# Altium PCB Udemy_Project.PcbDoc (part 1 of 2) (continued)
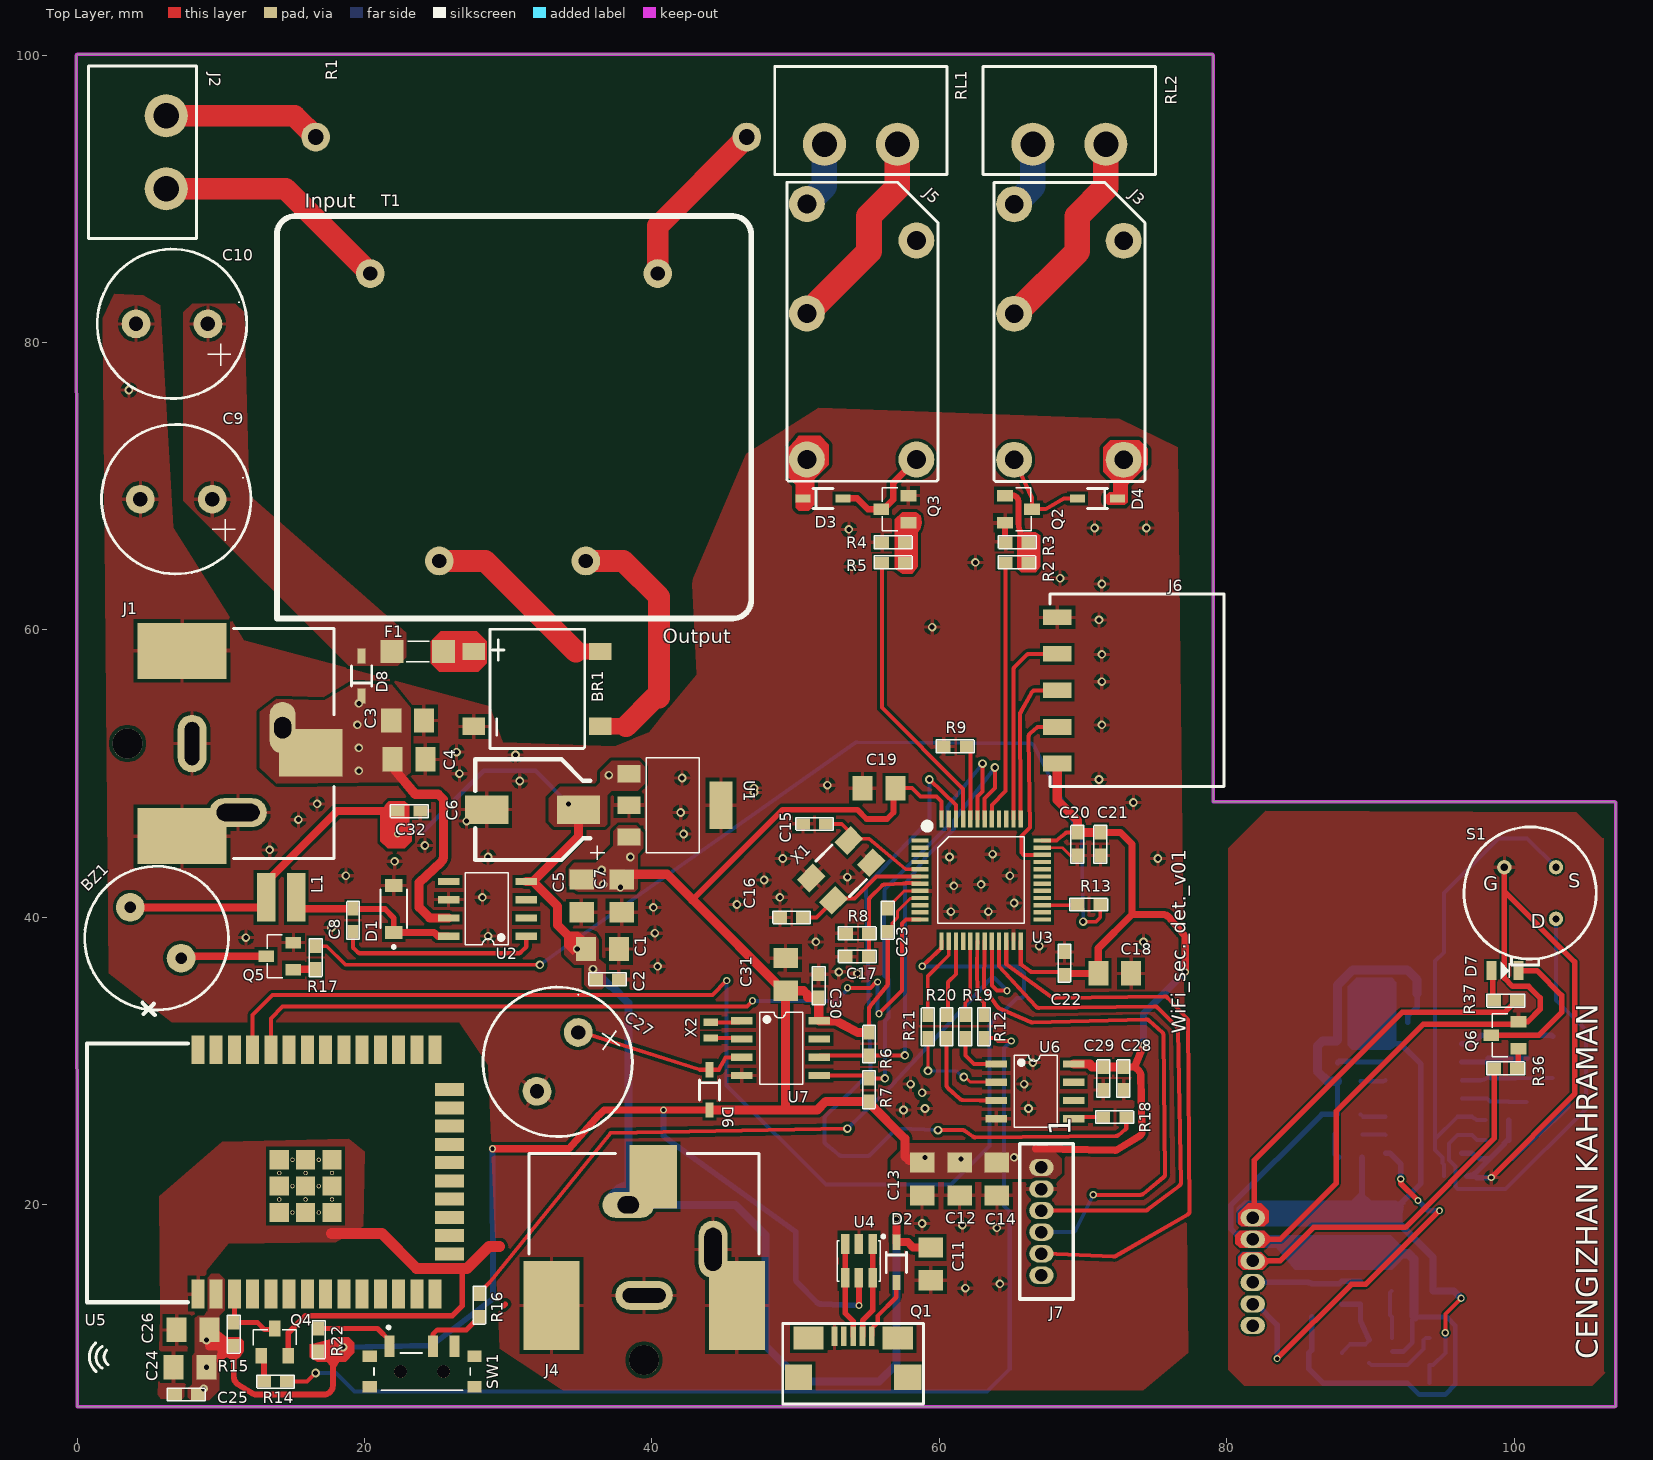
[diagram p0: Top Layer view]
## Part data (continued)
D2 D3 D4 D6 D8: "VR=75V IF=150mA Trr=4ns P=200mW", Manufacturer="ON Semiconductor / Fairchild", Supplier Part Number 1=8814485, Category="Rectifier Diodes", ComponentLink1Description=https://datasheet.ciiva.com/30479/0900766b810e1cd3-30479206.pdf?src-supplier=Rs, ComponentLink1URL=https://datasheet.ciiva.com/30479/0900766b810e1cd3-30479206.pdf?src-supplier=Rs, ComponentLink2Description=https://datasheet.ciiva.com/8300/1n914bws-8300360.pdf?src-supplier=Avnet, ComponentLink2URL=https://datasheet.ciiva.com/8300/1n914bws-8300360.pdf?src-supplier=Avnet, ComponentLink3Description=https://datasheet.ciiva.com/15208/getdatasheetpartid-127819-15208358.pdf?src-supplier=Verical, ComponentLink3URL=https://datasheet.ciiva.com/15208/getdatasheetpartid-127819-15208358.pdf?src-supplier=Verical, ComponentLink4Description=https://datasheet.ciiva.com/910/1n4148ws-910380.pdf?src-supplier=Digi-Key, ComponentLink4URL=https://datasheet.ciiva.com/910/1n4148ws-910380.pdf?src-supplier=Digi-Key, ComponentLink5Description=https://datasheet.ciiva.com/910/1n4148ws-910381.pdf?src-supplier=Digi-Key, ComponentLink5URL=https://datasheet.ciiva.com/910/1n4148ws-910381.pdf?src-supplier=Digi-Key, ComponentLink6Description=https://datasheet.ciiva.com/910/1n4148ws-910382.pdf?src-supplier=Digi-Key, ComponentLink6URL=https://datasheet.ciiva.com/910/1n4148ws-910382.pdf?src-supplier=Digi-Key, Manufacturer Part Number=1N4148WS, Pricing 1="3000=0.0191, 12000=0.0183, 45000=0.0175, 75000=0.0173, 150000=0.0164 (USD)", RoHS=Yes, Stock 1=423000, Supplier 1="Future Electronics"
F1: "Fuse Chip Fast Acting 1A 32V SMD Solder Pad 1206 Glass T/R VDE/cULus", Manufacturer=Schurter, Manufacturer Part Number=3413.0216.22, Category=Fuses, ComponentLink1Description=https://datasheet.ciiva.com/301/typ-usi-1206-301440.pdf?src-supplier=Digi-Key, ComponentLink1URL=https://datasheet.ciiva.com/301/typ-usi-1206-301440.pdf?src-supplier=Digi-Key, ComponentLink2Description=https://datasheet.ciiva.com/14102/qousi1206-data-e-14102903.pdf?src-supplier=Distrelec, ComponentLink2URL=https://datasheet.ciiva.com/14102/qousi1206-data-e-14102903.pdf?src-supplier=Distrelec, ComponentLink3Description=https://datasheet.ciiva.com/16316/typ-usi-1206-16316588.pdf?src-supplier=Future+Electronics, ComponentLink3URL=https://datasheet.ciiva.com/16316/typ-usi-1206-16316588.pdf?src-supplier=Future+Electronics, ComponentLink4Description=https://datasheet.ciiva.com/301/typ-usi-1206-301439.pdf?src-supplier=Digi-Key, ComponentLink4URL=https://datasheet.ciiva.com/301/typ-usi-1206-301439.pdf?src-supplier=Digi-Key, ComponentLink5Description=https://datasheet.ciiva.com/301/typ-usi-1206-301441.pdf?src-supplier=Digi-Key, ComponentLink5URL=https://datasheet.ciiva.com/301/typ-usi-1206-301441.pdf?src-supplier=Digi-Key, ComponentLink6Description=https://datasheet.ciiva.com/8264/typ-usi-1206-8264583.pdf?src-supplier=Avnet, ComponentLink6URL=https://datasheet.ciiva.com/8264/typ-usi-1206-8264583.pdf?src-supplier=Avnet, ComponentLink7Description=https://datasheet.ciiva.com/14541/70160006-14541114.pdf?src-supplier=Allied+Electronics, ComponentLink7URL=https://datasheet.ciiva.com/14541/70160006-14541114.pdf?src-supplier=Allied+Electronics, Pricing 1="1000=0.37339, 2000=0.3654, 4000=0.35496, 6000=0.34713, 8000=0.33408, 10000=0.32625, 100000=0.31842 (USD)", RoHS=Yes, Stock 1=2000, Supplier 1=Avnet, Supplier Part Number 1=3413.0216.22
J1 J4: "2.0 x 6.3 mm, 5.0 A, Horizontal, Surface Mount (SMT), Dc Power Jack Connector", Case/Package=SMD/SMT, Color=Black, Current Rating=5A, Flammability Rating="UL94 V-0", Insulation Resistance=100MR, Manufacturer=CUI, Max Operating Temperature=85°C, Min Operating Temperature=-25°C, Package Quantity=200, Supplier Part Number 1=490-PJ-037AH-SMT-TR, Voltage Rating=24V, Category=Uncategorized, ComponentLink1Description=http://www.mouser.com/ds/2/670/pj-037ah-smt-516065.pdf?src-supplier=Mouser, ComponentLink1URL=http://www.mouser.com/ds/2/670/pj-037ah-smt-516065.pdf?src-supplier=Mouser, ComponentLink2Description=https://www.cui.com/product/resource/digikeypdf/pj-037ah-smt-tr.pdf?src-supplier=Digi-Key, ComponentLink2URL=https://www.cui.com/product/resource/digikeypdf/pj-037ah-smt-tr.pdf?src-supplier=Digi-Key, ComponentLink3Description=http://www.cui.com/product/resource/digikeypdf/pj-037ah-smt.pdf?src-supplier=Digi-Key, ComponentLink3URL=http://www.cui.com/product/resource/digikeypdf/pj-037ah-smt.pdf?src-supplier=Digi-Key, Connector Type=Jack, Contact Gender=Male, Contact Material=Copper, Contact Plating=Nickel, Gender=Male, Housing Color=Black, Housing Material=Thermoplastic, Manufacturer Part Number=PJ-037AH-SMT-TR, Mount="Surface Mount,Through Hole", Number of Conductors=2, Orientation=Horizontal, Packaging="Tape and Reel", RoHS=Yes, Shielding=Unshielded, Supplier 1=Mouser, Termination=Solder
L1: "Power Inductor, Aec-Q200, 47Uh, 0.39A Rohs Compliant: Yes", Case Code (Imperial)=1212, Case Code (Metric)=3030, Current Rating=390mA, DC Resistance (DCR)=2.3R, Inductance=47uH, Manufacturer="Wurth Electronics", Manufacturer Part Number=78438335470, Max Operating Temperature=125°C, Min Operating Temperature=-40°C, Ratings=AEC-Q200, Saturation Current=1.18A, Self Resonant Frequency=8MHz, Supplier Part Number 1=3517060, Test Frequency=100kHz, Tolerance=30%, Case/Package=1212, Category="Fixed Inductors", ComponentLink1Description=https://media.digikey.com/pdf/Data%20Sheets/Wurth%20Electronics%20PDFs/Q+_Products_Flyer.pdf?src-supplier=Digi-Key, ComponentLink1URL=https://media.digikey.com/pdf/Data%20Sheets/Wurth%20Electronics%20PDFs/Q+_Products_Flyer.pdf?src-supplier=Digi-Key, Core Material=Ferrite, Height - Seated (Max)=0.059inch, Length=0.118inch, Mount="Surface Mount", Packaging="Cut Tape", Pricing 1="1=1.76, 50=1.67, 100=1.6, 250=1.52, 500=1.41, 1000=1.38, 5000=1.35, 10000=1.33 (EUR)", RoHS=Yes, RoHS Compliant=Yes, Series=WE-MAIA, Shielding=Shielded, Stock 1=1175, Supplier 1=Farnell, Width=0.118inch
R1: Resistance=270m
R3 R4 R23 R24 R26: Resistance=10kOHM
R6 R7: Resistance="4.7K Ohm"
R28: Resistance=43kOHM
R30 R31 R35: Resistance=220kOHM
R32 R33: "Res Metal Strip 0603 0 Ohm Sulfur Resistant Pad SMD Automotive T/R", Case Code (Imperial)=0603, Case Code (Metric)=1608, Manufacturer="Vishay Dale", Manufacturer Part Number=WSL060300000ZEA9, Max Operating Temperature=170°C, Min Operating Temperature=-65°C, Resistance=0R, Supplier Part Number 1=71-WSL060300000ZEA9, Temperature Coefficient=3900ppm/°C, Case/Package=0603, Category="Chip SMD Resistors", ComponentLink1Description=http://www.mouser.com/ds/2/427/wsl-101914.pdf?src-supplier=Mouser, ComponentLink1URL=http://www.mouser.com/ds/2/427/wsl-101914.pdf?src-supplier=Mouser, ComponentLink2Description=http://www.vishay.com/docs/30100/wsl.pdf?src-supplier=Avnet, ComponentLink2URL=http://www.vishay.com/docs/30100/wsl.pdf?src-supplier=Avnet, ComponentLink3Description=http://www.vishay.com/docs/30192/wsl-9.pdf?src-supplier=Digi-Key, ComponentLink3URL=http://www.vishay.com/docs/30192/wsl-9.pdf?src-supplier=Digi-Key, Contact Plating=Tin,Matte, Number of Terminations=2, Packaging="Cut Tape", Pricing 1="1=1.09, 10=0.846, 50=0.846, 100=0.699, 1000=0.433, 10000=0.402 (USD)", RoHS=Yes, RoHS Compliant=Yes, Series=WSL, Stock 1=50899, Supplier 1=Mouser
R37: Resistance=100Ohm
RT1: "Thermistor PTC 10K Ohm 1% 2-Pin 1206 Surface Mount Solder Pad T/R Automotive", Case Code (Imperial)=1206, Manufacturer="Vishay Dale", Manufacturer Part Number=TFPT1206L1002FM, Max Operating Temperature=125°C, Max Power Dissipation=125mW, Min Operating Temperature=-55°C, Package Quantity=5000, Resistance=10kR, Resistance Tolerance=1%, Supplier Part Number 1=71-TFPT1206L1002FM, Voltage=40V, Case/Package=1206, Category=Thermistors, ComponentLink1Description=https://datasheet.ciiva.com/2852/tfpt-2852076.pdf?src-supplier=Digi-Key, ComponentLink1URL=https://datasheet.ciiva.com/2852/tfpt-2852076.pdf?src-supplier=Digi-Key, Height=0.55mm, Lead Free="Lead Free", Length=3.2mm, Mount="Surface Mount", Packaging="Tape and Reel", Power Rating=125mW, Pricing 1="1=1.34, 10=1.05, 50=1.05, 100=0.714, 1000=0.53, 10000=0.453 (USD)", RoHS=Yes, RoHS Compliant=Yes, Series=TFPT, Stock 1=7122, Supplier 1=Mouser, Termination=SMD/SMT, Tolerance=1%, Width=1.6mm
S1: MAX Supply Voltage=12, MIN Supply Voltage=2
SW1: "Slide Switch, SPDT, 0.025A, 24V, SMD", Manufacturer=E-Switch, Max Operating Temperature=70°C, Min Operating Temperature=-20°C, Operating Force=150gf, Supplier Part Number 1=4050996, Voltage Rating (DC)=24V, Actuator Length=1.4mm, Actuator Type=Standard, ComponentLink1Description=https://media.digikey.com/pdf/Data%20Sheets/E-Switch%20PDFs/EG1215_Series_Ds.pdf?src-supplier=Digi-Key, ComponentLink1URL=https://media.digikey.com/pdf/Data%20Sheets/E-Switch%20PDFs/EG1215_Series_Ds.pdf?src-supplier=Digi-Key, ComponentLink2Description=http://www.farnell.com/datasheets/2645007.pdf?src-supplier=Farnell, ComponentLink2URL=http://www.farnell.com/datasheets/2645007.pdf?src-supplier=Farnell, Electrical Life=10000Cycles, Manufacturer Part Number=EG1215AA, Mechanical Life=10000Cycles, Mount="Surface Mount", Packaging="Cut Tape", Pricing 1="1=1.06, 10=0.958, 25=0.831, 50=0.777, 100=0.722 (EUR)", RoHS=Yes, RoHS Compliant=Yes, Series=EG, Stock 1=2239, Supplier 1=Farnell, Switch Function=On-On, Switch Travel=1.5mm, Termination="Gull Wing", Throw Configuration=SPDT
T1: Operating Frequency="50-60 Hz", Primary Voltage=230V, Rated Power=1VA, Secondary Voltage=12V
U1: "AP7361 Series 3.3 V 1 A Low SMT Dropout Fixed-Mode Regulator - SOT-223", Case/Package=SOT223, Manufacturer=Diodes, Supplier Part Number 1=4058800, Category="Voltage Regulators - Linear", ComponentLink1Description=https://datasheet.ciiva.com/26926/getdatasheetpartid-670786-26926141.pdf?src-supplier=Verical, ComponentLink1URL=https://datasheet.ciiva.com/26926/getdatasheetpartid-670786-26926141.pdf?src-supplier=Verical, ComponentLink2Description=https://datasheet.ciiva.com/25651/ap7361-25651049.pdf?src-supplier=Digi-Key, ComponentLink2URL=https://datasheet.ciiva.com/25651/ap7361-25651049.pdf?src-supplier=Digi-Key, ComponentLink3Description=https://datasheet.ciiva.com/29568/ap7361-29568378.pdf?src-supplier=Digi-Key, ComponentLink3URL=https://datasheet.ciiva.com/29568/ap7361-29568378.pdf?src-supplier=Digi-Key, ComponentLink4Description=https://datasheet.ciiva.com/29568/ap7361-29568379.pdf?src-supplier=Digi-Key, ComponentLink4URL=https://datasheet.ciiva.com/29568/ap7361-29568379.pdf?src-supplier=Digi-Key, Manufacturer Part Number=AP7361-33E-13, Pricing 1="2500=0.17, 7500=0.166, 12500=0.163, 50000=0.158, 75000=0.154 (USD)", RoHS=Yes, Stock 1=15000, Supplier 1="Future Electronics"
U2: "SIMPLE SWITCHER® 6.5V to 40V, 1A Low Component Count Step-Down Regulator 8-SOIC -40 to 125", Manufacturer="TI National Semiconductor", Supplier Part Number 1=296-35410-1-ND, Category="Voltage Regulators - Switching", ComponentLink1Description=https://datasheet.ciiva.com/41457/001013881-da-01-en-ic-reg-buck-lm2675mx-12-nopb-soic-8-tid-41457896.pdf?src-supplier=Conrad, ComponentLink1URL=https://datasheet.ciiva.com/41457/001013881-da-01-en-ic-reg-buck-lm2675mx-12-nopb-soic-8-tid-41457896.pdf?src-supplier=Conrad, ComponentLink2Description=https://datasheet.ciiva.com/3220/lm2675-3220840.pdf?src-supplier=Avnet, ComponentLink2URL=https://datasheet.ciiva.com/3220/lm2675-3220840.pdf?src-supplier=Avnet, Manufacturer Part Number=LM2675MX-12/NOPB, Pricing 1="1=4.85, 10=4.356, 25=4.1184, 100=3.5693, 250=3.38624, 500=3.03846, 1000=2.56256 (USD)", RoHS=Yes, Supplier 1=Digi-Key
U4: "TVS DIODE 5.25VWM 17VC SOT23-6", Manufacturer=STMicroelectronics, Manufacturer Part Number=USBLC6-2SC6, Supplier Part Number 1=511-USBLC6-2SC6, Category="TVS Diodes", ComponentLink1Description=https://datasheet.ciiva.com/15143/getdatasheetpartid-148465-15143789.pdf?src-supplier=Verical, ComponentLink1URL=https://datasheet.ciiva.com/15143/getdatasheetpartid-148465-15143789.pdf?src-supplier=Verical, ComponentLink2Description=https://datasheet.ciiva.com/4508/cd00050750-113117-4508433.pdf?src-supplier=Mouser, ComponentLink2URL=https://datasheet.ciiva.com/4508/cd00050750-113117-4508433.pdf?src-supplier=Mouser, ComponentLink3Description=https://datasheet.ciiva.com/1268/1690354-1268384.pdf?src-supplier=Element14, ComponentLink3URL=https://datasheet.ciiva.com/1268/1690354-1268384.pdf?src-supplier=Element14, ComponentLink4Description=https://datasheet.ciiva.com/16200/cd00050750-16200026.pdf?src-supplier=Future+Electronics, ComponentLink4URL=https://datasheet.ciiva.com/16200/cd00050750-16200026.pdf?src-supplier=Future+Electronics, ComponentLink5Description=https://datasheet.ciiva.com/41444/001184109-da-01-en-ic-esd-protecti-usblc6-2sc6-sot-23-6-stm-41444156.pdf?src-supplier=Conrad, ComponentLink5URL=https://datasheet.ciiva.com/41444/001184109-da-01-en-ic-esd-protecti-usblc6-2sc6-sot-23-6-stm-41444156.pdf?src-supplier=Conrad, Pricing 1="1=0.59, 10=0.507, 50=0.507, 100=0.379, 1000=0.23, 10000=0.182 (USD)", RoHS=Yes, Stock 1=229222, Supplier 1=Mouser
U6: "Temp Sensor Digital Serial (3-Wire, SPI) 8-Pin SOIC N Tube", Manufacturer=Maxim, Manufacturer Part Number=MAX6662MSA+, Supplier Part Number 1=700-MAX6662MSA, Category="Temperature and Humidity Sensors", ComponentLink1Description=https://datasheet.ciiva.com/5299/max6662-89142-5299456.pdf?src-supplier=Mouser, ComponentLink1URL=https://datasheet.ciiva.com/5299/max6662-89142-5299456.pdf?src-supplier=Mouser, ComponentLink2Description=https://datasheet.ciiva.com/3277/max6662-3277979.pdf?src-supplier=Avnet, ComponentLink2URL=https://datasheet.ciiva.com/3277/max6662-3277979.pdf?src-supplier=Avnet, ComponentLink3Description=https://datasheet.ciiva.com/2003/max6662-2003390.pdf?src-supplier=Digi-Key, ComponentLink3URL=https://datasheet.ciiva.com/2003/max6662-2003390.pdf?src-supplier=Digi-Key, Pricing 1="1=2.45, 10=2.35, 50=2.35, 100=2.34, 1000=2.2, 10000=1.95 (USD)", RoHS=Yes, Stock 1=1124, Supplier 1=Mouser
U7: "Real-time Clocks Clock/Calendar I2C, 2-Wire Serial 70uA @ 2V ~ 5.5V SOIC-8_150mil RoHS", Manufacturer=STMicroelectronics, Manufacturer Part Number=M41T00M6F, Supplier Part Number 1=497-4697-1-ND, Category="Real Time Clocks", ComponentLink1Description=https://datasheet.ciiva.com/7630/1837112-7630077.pdf?src-supplier=Element14, ComponentLink1URL=https://datasheet.ciiva.com/7630/1837112-7630077.pdf?src-supplier=Element14, ComponentLink2Description=https://datasheet.ciiva.com/16213/cd00001542-16213654.pdf?src-supplier=Future+Electronics, ComponentLink2URL=https://datasheet.ciiva.com/16213/cd00001542-16213654.pdf?src-supplier=Future+Electronics, ComponentLink3Description=https://datasheet.ciiva.com/41459/001185345-da-01-en-ic-rtc-srl-512kbit-m41t00m6f-soic-8-stm-41459818.pdf?src-supplier=Conrad, ComponentLink3URL=https://datasheet.ciiva.com/41459/001185345-da-01-en-ic-rtc-srl-512kbit-m41t00m6f-soic-8-stm-41459818.pdf?src-supplier=Conrad, Pricing 1="1=3.96, 10=3.556, 25=3.3616, 100=2.9134, 250=2.76404, 500=2.48016, 1000=2.11425 (USD)", RoHS=Yes, Stock 1=5505, Supplier 1=Digi-Key
U8: "IC OPAMP GP 3MHZ RRO SOT23-5", Manufacturer="Texas Instruments", Manufacturer Part Number=OPA314AIDBVR, Supplier Part Number 1=296-36699-1-ND, Category="Amplifiers - Op Amps, Buffer, Instrumentation", ComponentLink1Description=https://datasheet.ciiva.com/14456/opa2314-14456281.pdf?src-supplier=Avnet, ComponentLink1URL=https://datasheet.ciiva.com/14456/opa2314-14456281.pdf?src-supplier=Avnet, ComponentLink2Description=https://datasheet.ciiva.com/14462/opa2314-14462006.pdf?src-supplier=Avnet, ComponentLink2URL=https://datasheet.ciiva.com/14462/opa2314-14462006.pdf?src-supplier=Avnet, ComponentLink3Description=https://datasheet.ciiva.com/29638/opa314-29638827.pdf?src-supplier=Digi-Key, ComponentLink3URL=https://datasheet.ciiva.com/29638/opa314-29638827.pdf?src-supplier=Digi-Key, Pricing 1="1=1.19, 10=1.065, 25=1.0104, 100=0.83, 250=0.77588, 500=0.68568, 1000=0.54132 (USD)", RoHS=Yes, Stock 1=278, Supplier 1=Digi-Key
U9: "NCS36000 Series Single 5.5V Passive Infrared Detector Controller (PIR) - SOIC-14", Manufacturer="ON Semiconductor", Manufacturer Part Number=NCS36000DG, Category="Amplifiers - Op Amps, Buffer, Instrumentation", ComponentLink1Description=https://datasheet.ciiva.com/25629/0900766b810de37b-25629154.pdf?src-supplier=Rs, ComponentLink1URL=https://datasheet.ciiva.com/25629/0900766b810de37b-25629154.pdf?src-supplier=Rs, ComponentLink2Description=https://datasheet.ciiva.com/2965/ncs36000-d-2965211.pdf?src-supplier=Avnet, ComponentLink2URL=https://datasheet.ciiva.com/2965/ncs36000-d-2965211.pdf?src-supplier=Avnet, ComponentLink3Description=https://datasheet.ciiva.com/1782/ncs36000-d-1782043.pdf?src-supplier=Digi-Key, ComponentLink3URL=https://datasheet.ciiva.com/1782/ncs36000-d-1782043.pdf?src-supplier=Digi-Key, Pricing 1="55=0.582, 60=0.56648, 120=0.55096, 280=0.53544, 550=0.51992 (USD)", RoHS=Yes, Stock 1=1785, Supplier 1=Avnet, Supplier Part Number 1=NCS36000DG
X1: "Crystal 16MHz ±30ppm (Tol) ±50ppm (Stability) 20pF FUND 50Ohm 4-Pin Mini-SMD T/R", Manufacturer=Abracon, Manufacturer Part Number=ABS05-32.768KHZ-T, Supplier Part Number 1=4097386, Category=Crystals, ComponentLink1Description=https://datasheet.ciiva.com/23810/abs05-23810480.pdf?src-supplier=Newark, ComponentLink1URL=https://datasheet.ciiva.com/23810/abs05-23810480.pdf?src-supplier=Newark, ComponentLink2Description=https://datasheet.ciiva.com/6728/abs05-6728949.pdf?src-supplier=Digi-Key, ComponentLink2URL=https://datasheet.ciiva.com/6728/abs05-6728949.pdf?src-supplier=Digi-Key, ComponentLink3Description=https://datasheet.ciiva.com/6728/abs05-6728950.pdf?src-supplier=Digi-Key, ComponentLink3URL=https://datasheet.ciiva.com/6728/abs05-6728950.pdf?src-supplier=Digi-Key, ComponentLink4Description=https://datasheet.ciiva.com/16411/abs05-16411149.pdf?src-supplier=Future+Electronics, ComponentLink4URL=https://datasheet.ciiva.com/16411/abs05-16411149.pdf?src-supplier=Future+Electronics, ComponentLink5Description=https://datasheet.ciiva.com/853/ecx-53b-853408.pdf?src-supplier=Digi-Key, ComponentLink5URL=https://datasheet.ciiva.com/853/ecx-53b-853408.pdf?src-supplier=Digi-Key, ComponentLink6Description=https://datasheet.ciiva.com/853/ecx-53b-853407.pdf?src-supplier=Digi-Key, ComponentLink6URL=https://datasheet.ciiva.com/853/ecx-53b-853407.pdf?src-supplier=Digi-Key, ComponentLink7Description=https://datasheet.ciiva.com/853/ecx-53b-853406.pdf?src-supplier=Digi-Key, ComponentLink7URL=https://datasheet.ciiva.com/853/ecx-53b-853406.pdf?src-supplier=Digi-Key, Pricing 1="1=0.85, 15=0.75, 75=0.69, 300=0.64, 1500=0.58 (USD)", Pricing 2="1=0.8053, 10=0.7919 (USD)", RoHS=Yes, Stock 1=2890, Stock 2=17, Supplier 1="Future Electronics", Supplier 2="Arrow Electronics", Supplier Part Number 2=ECS-160-20-30B-TR
X2: "Crystal 0.032768MHz ±20ppm (Tol) 12.5pF Flexural 90000Ohm 2-Pin CSMD T/R", FREQ=32.768kHz, Manufacturer=Abracon, Manufacturer Part Number=ABS05-32.768KHZ-T, Supplier Part Number 1=4097386, Category=Crystals, ComponentLink1Description=https://datasheet.ciiva.com/23810/abs05-23810480.pdf?src-supplier=Newark, ComponentLink1URL=https://datasheet.ciiva.com/23810/abs05-23810480.pdf?src-supplier=Newark, ComponentLink2Description=https://datasheet.ciiva.com/6728/abs05-6728949.pdf?src-supplier=Digi-Key, ComponentLink2URL=https://datasheet.ciiva.com/6728/abs05-6728949.pdf?src-supplier=Digi-Key, ComponentLink3Description=https://datasheet.ciiva.com/6728/abs05-6728950.pdf?src-supplier=Digi-Key, ComponentLink3URL=https://datasheet.ciiva.com/6728/abs05-6728950.pdf?src-supplier=Digi-Key, ComponentLink4Description=https://datasheet.ciiva.com/16411/abs05-16411149.pdf?src-supplier=Future+Electronics, ComponentLink4URL=https://datasheet.ciiva.com/16411/abs05-16411149.pdf?src-supplier=Future+Electronics, Pricing 1="1=0.85, 15=0.75, 75=0.69, 300=0.64, 1500=0.58 (USD)", RoHS=Yes, Stock 1=2890, Supplier 1="Future Electronics"
C1 C3 C7 C14 C19 C26 C31 C40 C42 C46: Cap=1uF
C15 C16: Cap=20pF
R2 R5 R15 R29 R34 R36: Reisitance="1k  OHM"
R25 R27: RES=560K
RL1 RL2: Case/Package=ALQ112

## Via types
v1: diameter 0.6, hole 0.35, Top Layer to Bottom Layer, tented both sides, 103 vias
v2: diameter 0.5, hole 0.3, POWER to Bottom Layer, tented both sides, 22 vias
v3: diameter 0.5, hole 0.3, Top Layer to POWER, tented both sides, 21 vias
v4: diameter 0.5, hole 0.3, Top Layer to Bottom Layer, tented both sides, 1 vias

## Nets (pads, with @x,y where several pads share a name; then routed paths per layer and width w, separated by ;. In a path a pad name is that pad's centre, name@x,y a point inside that pad or via, vN(x,y) a via of type N, cw(c..) or ccw(c..) an arc to the next point about the centre after c; other vN are vias at no path point)
3V3DC: C5.1 C7.2 C12.2 C13.2 C14.2 C18.2 C19.2 C20.2 C21.2 C22.2 C23.2 C24.2 C25.2 C26.1 C28.2 C29.2 C30.2 C31.1 D6.2@44,26.6 J6.1 J7.1 R6.2 R7.2 R15.2 R22.2 U1.3 U3.9 U3.24 U3.36 U3.48 U4.5 U5.2 U6.8 U7.8 | length 220.8
  Top Layer w0.203: C23.2@56.4,39 56.692,39.292 56.692,39.6 57.073,39.981 57.073,40.418 57.956,41.302 58.602,41.302 U3.9@58.65,41.35
  Top Layer w0.279: C19.2@56.943,49 58.093,49 58.693,48.4 59.8,48.4 60.15,48.05 U3.48@60.15,46.85 ; U3.36@67.15,45.35 68.131,45.35 68.825,45.9 C20.2@69.6,45.9
  Top Layer w0.3: R6.2@55.1,32 55.1,33.593 cw(c55.4,33.593) 55.167,33.783 56.332,35.217 ccw(c56.1,35.407) 56.4,35.407 C23.2@56.4,39 ; U3.24@65.65,38.35 65.65,36.729 66.328,36.251 66.4,36.2 66.489,36.2 68.5,36.2 C22.2@68.7,36 cw(c68.941,35.759) C22.2@68.941,36.1 ; 66.6,23.9 66.697,23.9 cw(c66.697,23.6) 66.702,23.9
  Top Layer w0.35: C19.2@56.8,48.655 cw(c57.288,48.655) C19.2@56.943,49
  Top Layer w0.4: R15.2@10.9,10.2 10.9,8.047 ccw(c11.535,8.047) 11.192,7.512 12.143,6.901 ; 12.144,6.9 ccw(c12.486,7.435) 12.486,6.8 17.165,6.8 ccw(c17.165,7.435) 17.8,7.435 17.8,9.351 17.566,9.586 ; R22.2@16.8,9.8 16.8,9.779 16.994,9.586 17.566,9.586 ; v1(18.5,10.1) 17.566,9.586 ; 42.825,41.225 49.1,47.5 54.283,47.5 54.933,46.85 56.35,46.85 56.8,47.3 C19.2@56.8,48.655 ; v3(54.4,13) U4.5@54.4,14.925
  Top Layer w0.5: v2(28.9,23.9) 34.2,23.9 36.346,26.272 36.36,26.287 36.673,26.6 v2(40.8,26.6) D6.2@44,26.6 ; 66.703,23.9 72.212,23.802 ccw(c72.218,24.102) 72.374,23.846 73.952,24.809 ccw(c73.796,25.066) 74.096,25.072 ; C22.2@68.941,36.1 C18.2@71.057,36.1 71.057,37.857 73.4,40.2 ; C21.2@71.2,45.9 72.6,45.9 73.4,45.1 73.4,40.2 ; C28.2@72.8,29.6 73.575,29.6 ; 73.909,29.285 cw(c73.703,29.067) 74.003,29.074 74.096,25.073 ; 73.909,29.286 73.575,29.6 ; v3(74.2,31.1) 73.575,29.6 ; 76.978,38.841 75.95,40.027 ccw(c75.572,39.7) 75.572,40.2 73.4,40.2 ; 76.978,38.84 cw(c76.6,38.513) 77.1,38.513 v3(77.1,36.2)
  Top Layer w0.635: 9.2,10.2 R15.2@10.9,10.2 ; C7.2@37.9,42.643 38.257,43 41.05,43 42.825,41.225 49.15,34.9 C31.1@49.3,34.9 ; D6.2@44,26.6 49.3,26.6 ; U7.8@51.6,32.855 C30.2@51.6,34.443 50.825,34.443 50.825,34.606 50.531,34.9 C31.1@49.3,34.9 ; U7.8@51.65,32.805 52.781,32.805 54.325,32 R6.2@55.1,32 ; 57.9,23.1 57.6,23.4 57.6,24.611 55.1,27.111 R7.2@55.1,27.2 52.1,27.2 51.5,26.6 49.3,26.6 ; J6.1@68.2,50.72 68.2,48.164 69.6,46.764 C20.2@69.6,45.9 C21.2@71.2,45.9 ; U6.8@69.35,29.805 70.481,29.805 70.481,29.745 70.625,29.6 C29.2@71.4,29.6 72.175,29.6 ; 72.175,29.6 72.4,29.6 ; 49.3,26.6 C31.1@49.3,34.9
  Bottom Layer w0.4: v1(18.5,10.1) 24.671,10.22 28.945,13.481 v2(28.9,23.9) ; v2(40.8,26.6) 40.8,24.971 40.8,24.812 40.966,24.646 50,18.135 50,14.866 ccw(c50.4,14.866) 50.118,14.582 51.489,13.211 ccw(c51.772,13.494) 51.756,13.094 53.35,13.03 53.853,13.01 54.39,13.01 v3(54.4,13)
  Bottom Layer w0.5: v3(74.2,31.1) 74.2,33.3 v3(77.1,36.2)
  other v1: 8.8,7.2 9,8.7 9,10.6 61.5,23.2 59,23.3 65.2,23.3 37.8,42.1 36.6,42.3 36.5,43.3 38.5,44.2
  other v2: 54.4,13 74.2,31.1 77.1,36.2
  other v3: 28.9,23.9 40.8,26.6
3V3DC_S: C37.2 C42.2 C43.2 C44.2 C45.2 C46.2 J8.1 R34.2 R35.2 R37.1 RT1.2 U8.5 U9.14 | length 67
  Top Layer w0.279: v2(95.2,11.1) 95.2,12.4 v2(96.3,13.5)
  Top Layer w0.381: J8.1@81.8,19.1 81.9,19.2 81.9,23.1 92.2,33.4 99.311,33.4 100.111,34.2 R37.1@100.2,34.2
  Bottom Layer w0.279: C43.2@91,32.7 90.417,32.7 89.405,32.717 89,32.267 R35.2@89,31.6 89.494,31.6 90.35,31.21 U9.14@91.04,31.21 ; 91.7,19.5 91.7,19.6 ; 94.1,8.45 U8.5@94.1,8.85 94.35,8.85 95.2,9.7 v2(95.2,11.1) ; C37.2@94.1,7.6 94.1,8.45
  Bottom Layer w0.4: 89.4,19.9 R34.2@89.4,23.3 ; U9.14@91.04,31.21 92.09,31.21 93.5,29.8 93.5,21.496 91.7,19.696 91.7,19.6
  Bottom Layer w0.508: C42.2@90.957,34.7 90.957,32.743 C43.2@91,32.7 ; C44.2@91.321,18.984 91.41,18.895 91.805,18.895 94.35,16.35 RT1.2@94.35,14 95.8,14 v2(96.3,13.5)
  other v3: 95.2,11.1 96.3,13.5
5VDC: BZ1.2 C1.2 C2.2 C6.1 C11.1 C32.2@22.3,47.4 D2.1 J4.1 L1.2 U1.1 U2.4 | length 109.6
  Top Layer w0.559: BZ1.2@3.7,40.7 12.779,40.7 13.15,41.071 13.15,42.45 18.1,47.4 C32.2@22.3,47.4 ; v1(57,19) D2.1@57,17.4 57.812,17.4 58.169,17.043 C11.1@59.4,17.043
  Top Layer w0.635: U2.4@31.25,42.505 31.75,42.505 34.9,45.655 C6.1@34.9,47.5 ; U2.4@31.695,42.505 33.435,40.765 33.435,39.465 34.6,38.3
  Bottom Layer w0.3: v2(22.3,45.8) 22.3,45.824 22.476,46 24.1,46 28.3,50.2 31.9,50.2 v1(34.2,47.9)
  Bottom Layer w0.559: v1(35.9,36.4) 37.079,35.221 37.179,35.221 38.35,34.05 J4.1@38.35,20 45.8,20 47.9,17.9 47.9,10.2 50.4,7.7 55.8,7.7 57,8.9 v1(57,19)
  other v1: 34.8,37.8 37,49.9
  other v4: 22.3,45.8
12VDC: C3.1 C4.2 D3.1 D4.1 D8.1 J1.1 RL1.5 RL2.4 U2.7 | length 15.9
  Top Layer w0.635: C4.2@21.957,51 21.703,50.746 23.528,48.57 25.128,48.57 25.5,48.198 25.5,44.279 cw(c24.865,44.279) 25.293,43.81 23.8,42.442 23.8,40.7 24.535,39.965 U2.7@25.85,39.965
  other v1: 19.6,50.2 19.6,51.8 19.5,53.4 19.6,54.9
AC_LINE_1: J2.1 R1.1 | length 11
  Top Layer w1.524: J2.1@6.2,95.78 15.12,95.78 R1.1@16.6,94.3
AC_LINE_2: J2.2 T1.5 | length 16.6
  Top Layer w1.524: J2.2@6.2,90.7 14.5,90.7 T1.5@20.4,84.8
BUZZER: R13.2 R17.1 | length 70.8
  Top Layer w0.254: R17.1@16.6,38 17.375,38 18.675,36.7 v1(32.2,36.7) ; v1(70,39.7) 70.9,39.7 71.2,40 71.2,40.125 R13.2@71.2,40.9
  Bottom Layer w0.254: v1(32.2,36.7) 34.044,37.999 34.119,38.074 34.119,38.082 34.518,38.481 34.647,38.481 34.728,38.481 34.794,38.527 54.133,52.153 cw(c54.28,51.945) 54.282,52.199 66.347,52.101 ; 66.347,52.101 cw(c66.344,51.847) 66.57,51.964 69.873,45.553 ; 69.873,45.552 cw(c69.647,45.436) 69.901,45.441 v1(70,39.7)
GND: BR1.4 C1.1 C2.1 C3.2 C4.1 C5.2 C6.2 C7.1 C9.2 C10.2 C11.2 C12.1 C13.1 C14.1 C15.2 C16.2 C17.2 C18.1 C19.1 C20.1 C21.1 C22.1 C23.1 C24.1 C25.1 C26.2 C27.2 C28.1 C29.1 C30.1 C31.2 C32.1@23.9,47.4 D1.A J1.2 J1.3 J4.2 J4.3 J6.5 J7.2 Q1.5 Q2.2 Q3.2 Q4.2 Q5.2 R3.2 R4.1 R8.1 R9.1 U1.2 U2.6 U3.8 U3.23 U3.35 U3.47 U4.2 U5.1 U6.4 U7.4 X1.2 X1.4 | length 37.5
  Top Layer w0.203: 29.3,17 29.4,17.1 ; C23.1@56.4,40.6 56.4,40.689 57.561,41.85 U3.8@58.65,41.85 ; U3.35@67.15,44.85 68.556,44.85 69.106,44.3 C20.1@69.6,44.3
  Top Layer w0.381: Q4.2@14.7,9.5 14.7,11.1 15.9,12.3 26.111,12.3 26.8,12.989 26.8,15.5 ; 29.662,12.962 29.8,13.1
  Top Layer w0.4: Q2.2@64.555,67.457 64.555,66.218 ccw(c64.709,66.218) R3.2@64.6,66.11
  Top Layer w0.762: 17.693,18 21.205,18 23.629,15.576 27.141,15.576 28.665,17.1 29.4,17.1
  other v1: 61.8,14.2 64.2,14.5 64,18.4 61.6,18.6 58.8,18.7 57.5,26.6 59,26.7 66.2,26.7 58.8,27.8 58,28.4 65.9,28.4 66.5,29.9 54.3,36.1 53,36.2 40.4,36.6 66.946,38.013 51.4,38.3 74.2,38.3 11.746,38.598 28.6,38.7 40.2,38.9 17.7,39.3 60.8,40.4 63.4,40.4 40.1,40.7 45.9,40.9 65.2,41 28.2,41.4 48.9,41.4 61,42.2 62.9,42.3 47.8,42.6 53.6,42.8 18.7,42.9 64.9,42.9 22.1,43.9 49.1,44.1 75.2,44.1 28.6,44.2 60.7,44.2 63.7,44.4 13.4,44.7 24.2,45 42.2,45.8 27.1,46.7 15.4,46.8 42,47.3 16.7,47.9 73.5,48 47.1,48.7 47.1,49 52.2,49.2 30.8,49.496 71.1,49.6 42.1,49.7 26.6,50 30.5,51.3 26.4,51.5 71.3,53.4 71.3,56.4 71.3,58.3 59.5,60.2 71.1,60.7 71.3,63.2 68.4,63.6 53.9,64.4 62.5,64.7 53.7,67 70.8,67.1 74.4,67.1 3.6,76.7